# Altium PCB Gesturelink V1.PcbDoc (part 5 of 9) (continued)
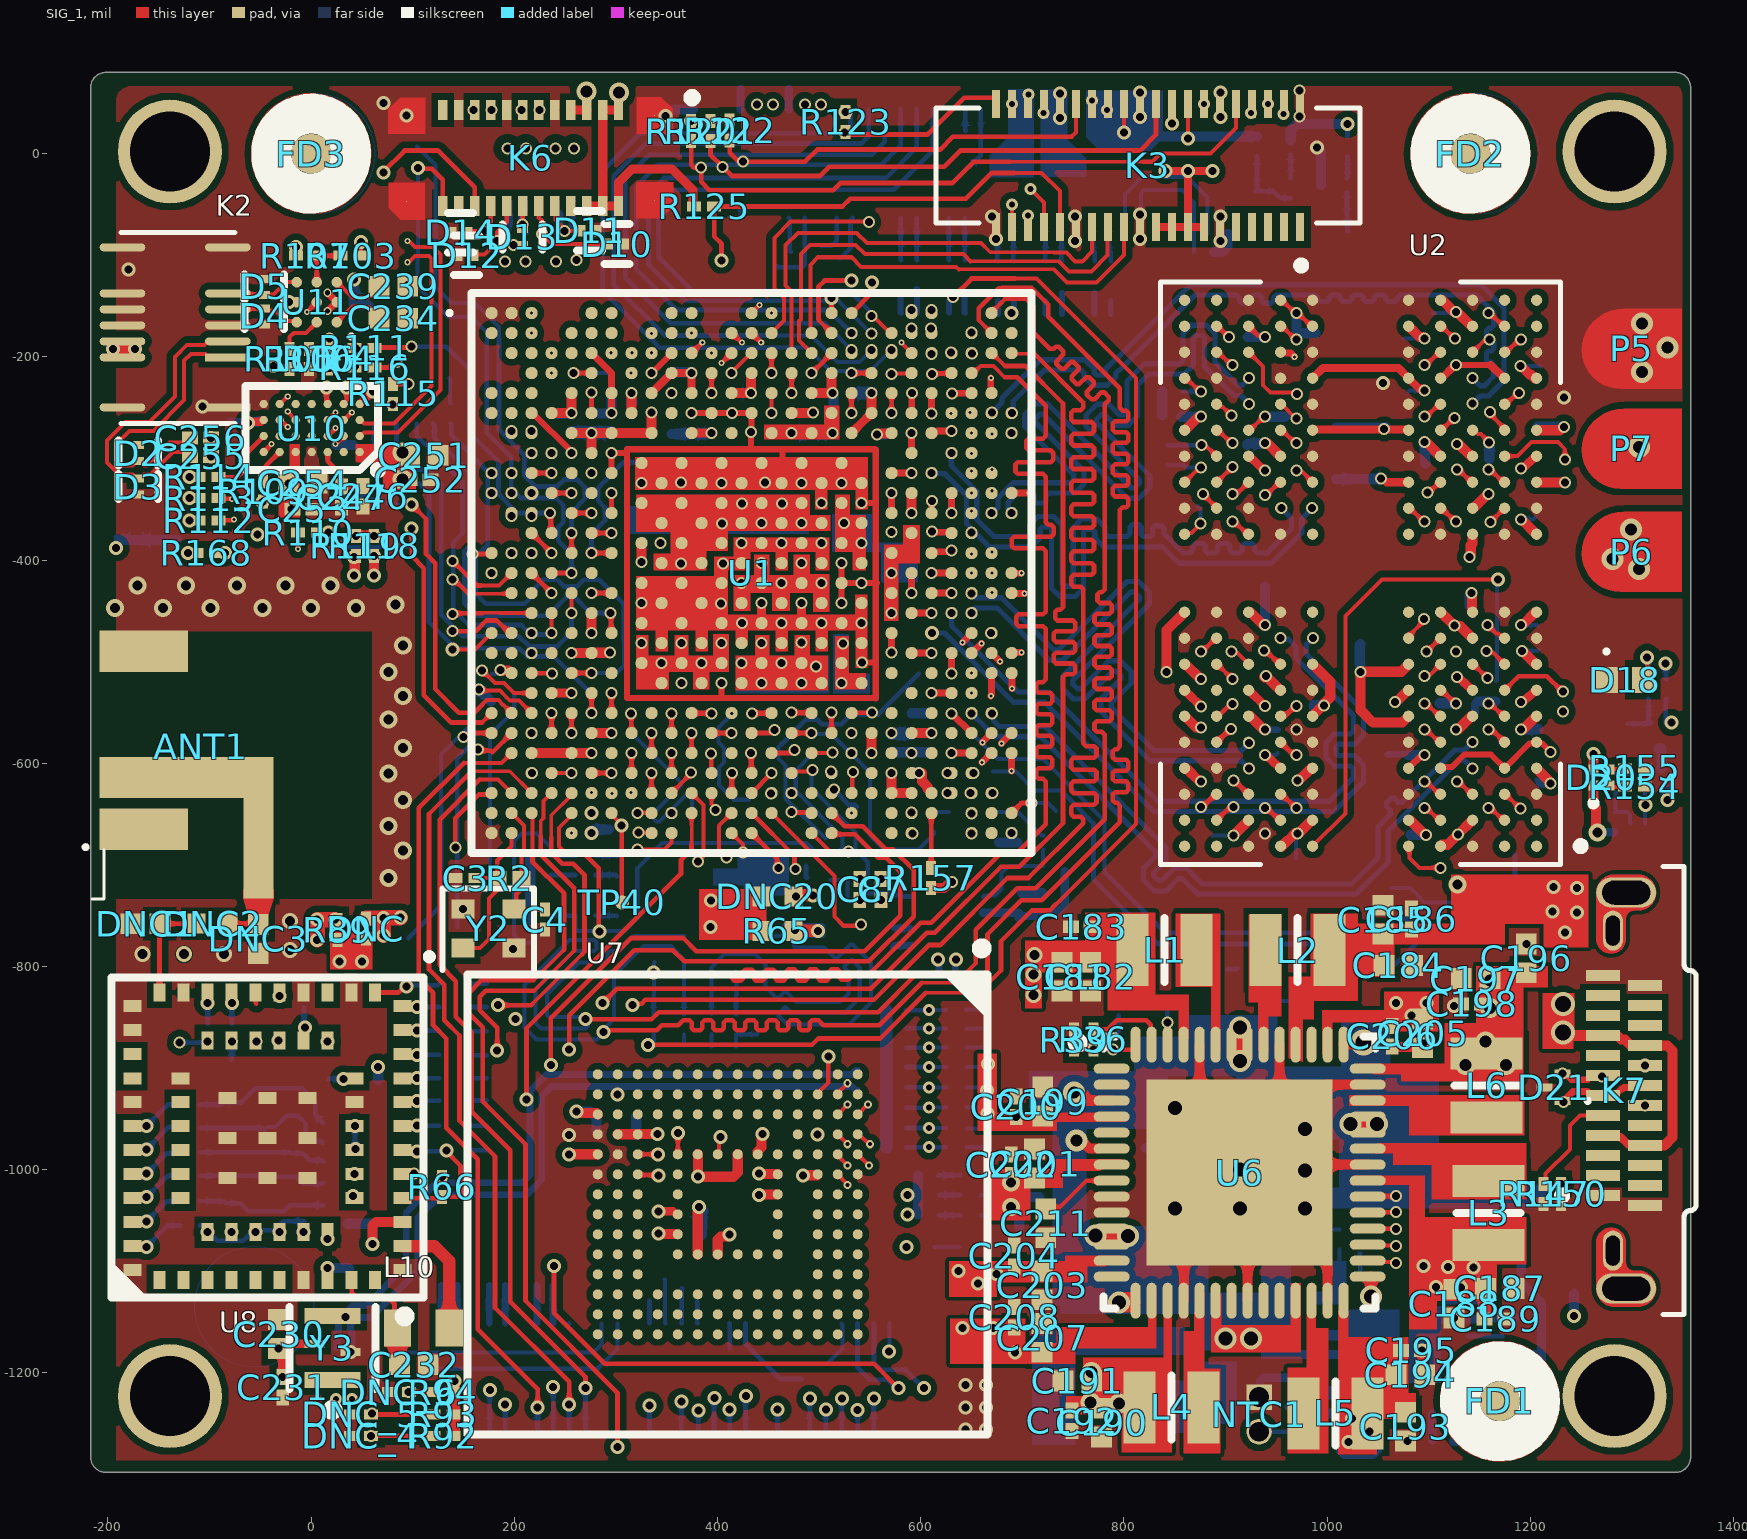
[diagram p0: SIG_1 view]
## Nets (pads, with @x,y where several pads share a name; then routed paths per layer and width w, separated by ;. In a path a pad name is that pad's centre, name@x,y a point inside that pad or via, vN(x,y) a via of type N, cw(c..) or ccw(c..) an arc to the next point about the centre after c; other vN are vias at no path point) (continued)
  SIG_3 w4.63: v12(418,-805.99) 523,-805.99 549,-779.99 549,-752.99 559,-742.99 647.5,-742.99 662,-728.49 662,-705.99 697.28,-670.71 697.28,-633.71 710,-620.99 710,-619 710,-616.69 707.29,-613.98 699.25,-613.98 697.13,-611.85 697.13,-605.47 699.25,-603.35 715.75,-603.35 717.87,-601.22 717.87,-594.85 715.75,-592.72 699.25,-592.72 697.13,-590.59 697.13,-584.22 699.25,-582.09 715.75,-582.09 717.87,-579.97 717.87,-573.59 715.75,-571.46 699.25,-571.46 697.13,-569.34 697.13,-562.96 699.25,-560.84 715.75,-560.84 717.87,-558.71 717.87,-552.33 715.75,-550.21 699.25,-550.21 697.13,-548.08 697.13,-541.71 699.25,-539.58 715.75,-539.58 717.87,-537.45 717.87,-531.08 715.75,-528.95 700.27,-528.95 698.15,-526.83 698.15,-520.45 700.27,-518.32 715.75,-518.32 717.87,-516.2 717.87,-509.82 715.75,-507.7 700.8,-507.7 698.68,-505.57 698.68,-499.19 700.8,-497.07 715.75,-497.07 717.87,-494.94 717.87,-488.57 715.75,-486.44 699.25,-486.44 697.13,-484.32 697.13,-477.94 699.25,-475.81 715.75,-475.81 717.87,-473.69 717.87,-467.31 715.75,-465.18 699.25,-465.18 697.13,-463.06 697.13,-456.68 699.25,-454.56 715.75,-454.56 717.87,-452.43 717.87,-446.05 715.75,-443.93 699.25,-443.93 697.13,-441.8 697.13,-435.43 699.25,-433.3 715.75,-433.3 717.87,-431.18 717.87,-424.8 715.75,-422.67 699.25,-422.67 697.13,-420.55 697.13,-414.17 699.25,-412.05 715.75,-412.05 717.87,-409.92 717.87,-403.54 715.75,-401.42 694.05,-401.42 691.92,-399.29 691.92,-392.92 694.05,-390.79 715.75,-390.79 717.87,-388.66 717.87,-382.29 715.75,-380.16 712.71,-380.16 710,-377.45 710,-364.99 710,-346.99 675,-311.99 666,-311.99 660,-305.99 660,-247.67 638.32,-225.99 620.17,-225.99 v1(611.07,-216.92)
  SIG_4 w4: R62.1@418,-847.15 418,-828.15 419,-827.15 418.5,-826.65 418.5,-806.49 v12(418,-805.99)
eMMC_DAT0: R45.1 R53.2 U7.A3 | length 144.5
  SIG_1 w4: U7.A3@538,-945.57 538.21,-945.57 547.79,-935.99 v32(548,-935.99)
  HI_SPEED_SIG_1 w4.63: v32(548,-935.99) 548,-922.99 591,-879.99 v27(608.08,-879.99)
  SIG_4 w4: v27(608.08,-879.99) R53.2@625.24,-879.99
  SIG_4 w4.58: R45.1@585.61,-879.99 v27(608.08,-879.99)
  other v33: 548,-935.99
eMMC_DAT0_MPU: R53.1 TP7.12 U1.C24 | length 1390.2
  SIG_2 w4.67: v18(644.76,-879.99) v8(667,-879.99)
  SIG_3 w3.7: v11(630,-195.99) 639.69,-186.3 669.5,-186.3
  SIG_3 w4.63: 668,-833.99 762,-739.99 762,-690.02 762,-687.71 759.29,-684.99 742.07,-684.99 739.95,-682.87 739.95,-676.49 742.07,-674.37 750.29,-674.37 753,-671.66 753,-658.99 753,-552.84 753,-550.53 750.29,-547.82 749.27,-547.82 747.15,-545.69 747.15,-539.31 749.27,-537.19 757.75,-537.19 759.87,-535.06 759.87,-528.69 757.75,-526.56 749.27,-526.56 747.15,-524.43 747.15,-518.06 749.27,-515.93 757.75,-515.93 759.87,-513.81 759.87,-507.43 757.75,-505.3 749.27,-505.3 747.15,-503.18 747.15,-496.8 749.27,-494.68 758.91,-494.68 761.03,-492.55 761.03,-486.17 758.91,-484.05 749.27,-484.05 747.15,-481.92 747.15,-475.55 749.27,-473.42 758.69,-473.42 760.82,-471.3 760.82,-464.92 758.69,-462.79 749.27,-462.79 747.15,-460.67 747.15,-454.29 749.27,-452.16 757.75,-452.16 759.87,-450.04 759.87,-443.66 757.75,-441.54 749.27,-441.54 747.15,-439.41 747.15,-433.03 749.27,-430.91 757.75,-430.91 759.87,-428.78 759.87,-422.41 757.75,-420.28 749.27,-420.28 747.15,-418.16 747.15,-411.78 749.27,-409.65 763.75,-409.65 765.87,-407.53 765.87,-401.15 763.75,-399.03 749.27,-399.03 747.15,-396.9 747.15,-390.52 749.27,-388.4 763.75,-388.4 765.87,-386.27 765.87,-379.89 763.75,-377.77 749.27,-377.77 747.15,-375.64 747.15,-369.27 749.27,-367.14 763.75,-367.14 765.87,-365.02 765.87,-358.64 763.75,-356.51 749.27,-356.51 747.15,-354.39 747.15,-348.01 749.27,-345.89 763.75,-345.89 765.87,-343.76 765.87,-337.38 763.75,-335.26 749.27,-335.26 747.15,-333.13 747.15,-326.76 749.27,-324.63 763.75,-324.63 765.87,-322.5 765.87,-316.13 763.75,-314 749.27,-314 747.15,-311.88 747.15,-305.5 749.27,-303.37 763.75,-303.37 765.87,-301.25 765.87,-294.87 763.75,-292.75 755.71,-292.75 753,-290.04 753,-277.99 753,-273.99 753,-257.98 758.37,-252.61 758.37,-249.61 753.86,-245.1 750.85,-245.1 738.24,-257.71 735.24,-257.71 730.73,-253.2 730.73,-250.19 746.22,-234.71 746.22,-231.7 741.71,-227.19 738.7,-227.19 723.21,-242.68 720.21,-242.68 715.7,-238.17 715.7,-235.16 729.22,-221.64 729.22,-218.64 724.71,-214.13 721.7,-214.13 708.18,-227.65 705.18,-227.65 700.67,-223.14 700.67,-220.13 713.14,-207.66 713.14,-204.66 708.63,-200.15 705.63,-200.15 693.15,-212.62 690.15,-212.62 685.64,-208.11 685.64,-205.1 698.11,-192.63 698.11,-189.63 693.6,-185.12 690.6,-185.12 687.78,-187.94 683.94,-187.94 682.31,-186.3 669.5,-186.3
  SIG_3 w4.67: v8(667,-879.99) 668,-878.99 668,-856.49 668,-833.99
  SIG_4 w4: R53.1@644.92,-879.99 TP7.12@665.08,-879.99
  other v22: 630,-195.99
eMMC_DAT1: R46.1 R54.2 U7.A4 | length 136.9
  SIG_1 w4: U7.A4@538,-965.25 539.18,-965.25 548.92,-974.99 v33(550,-974.99)
  HI_SPEED_SIG_1 w4.63: v33(550,-974.99) 604.63,-920.37 606.7,-920.37 v27(608.08,-918.99)
  SIG_4 w4: v27(608.08,-918.99) R54.2@625.24,-918.99
  SIG_4 w4.58: R46.1@585.61,-918.99 v27(608.08,-918.99)
  other v32: 550,-974.99
eMMC_DAT1_MPU: R54.1 TP8.12 U1.B23 | length 1405.5
  SIG_2 w4.67: v18(644.76,-918.99) v8(684,-918.99)
  SIG_3 w3.7: v22@611.94,-171.99 618.31,-165.63
  SIG_3 w4.63: v22(610,-171.99) v22@611.94,-171.99 ; 618.31,-165.63 631.36,-165.63 637,-159.99 686,-159.99 695.5,-169.49 697.14,-171.13 700.97,-171.13 715.26,-156.84 718.27,-156.84 722.78,-161.34 722.78,-164.35 705.06,-182.07 705.06,-185.08 709.57,-189.59 712.57,-189.59 740.28,-161.88 743.28,-161.88 747.79,-166.39 747.79,-169.4 720.09,-197.1 720.09,-200.11 724.6,-204.62 727.6,-204.62 740.92,-191.3 743.92,-191.3 748.43,-195.81 748.43,-198.82 737.88,-209.37 737.88,-212.38 742.39,-216.89 745.39,-216.89 749.04,-213.24 752.04,-213.24 756.55,-217.75 756.55,-220.76 753.16,-224.15 753.16,-227.15 757.67,-231.66 760.68,-231.66 764.07,-228.27 767.07,-228.27 771.58,-232.78 771.58,-235.79 768,-239.37 768,-254.04 774,-260.04 774,-423.99 768,-429.99 768,-458.99 773.18,-464.17 774,-464.99 774,-487.68 771.29,-490.39 769.16,-492.52 769.16,-498.89 771.29,-501.02 776.78,-501.02 778.9,-503.14 778.9,-509.52 776.78,-511.65 770.13,-511.65 768,-513.77 768,-520.15 770.13,-522.27 777.75,-522.27 779.87,-524.4 779.87,-530.78 777.75,-532.9 770.13,-532.9 768,-535.03 768,-541.41 770.13,-543.53 777.75,-543.53 779.87,-545.66 779.87,-552.03 777.75,-554.16 763.25,-554.16 761.13,-556.28 761.13,-562.66 763.25,-564.79 777.75,-564.79 779.87,-566.91 779.87,-573.29 777.75,-575.41 763.25,-575.41 761.13,-577.54 761.13,-583.92 763.25,-586.04 777.75,-586.04 779.87,-588.17 779.87,-594.54 777.75,-596.67 763.25,-596.67 761.13,-598.8 761.13,-605.17 763.25,-607.3 777.75,-607.3 779.87,-609.42 779.87,-615.8 777.75,-617.93 763.25,-617.93 761.13,-620.05 761.13,-626.43 763.25,-628.55 777.75,-628.55 779.87,-630.68 779.87,-637.06 777.75,-639.18 763.25,-639.18 761.13,-641.31 761.13,-647.68 763.25,-649.81 777.75,-649.81 779.87,-651.94 779.87,-658.31 777.75,-660.44 763.25,-660.44 761.13,-662.56 761.13,-668.94 763.25,-671.07 771.29,-671.07 774,-673.78 774,-676.09 774,-742.99 766,-750.99
  SIG_3 w4.67: v8@684,-915.99 683,-914.99 683,-833.99 766,-750.99
  SIG_4 w4: R54.1@644.92,-918.99 TP8.12@665.08,-918.99
eMMC_DAT2: R47.1 R55.2 U7.A5 | length 128.5
  SIG_1 w4: U7.A5@538,-984.96 v33(549,-995.99)
  HI_SPEED_SIG_1 w4.63: v33(549,-995.99) 571.08,-995.99 v27(608.08,-958.99)
  SIG_4 w4: v27(608.08,-958.99) R55.2@625.08,-958.99
  SIG_4 w4.58: R47.1@585.76,-958.99 607.19,-958.99 v27@607.24,-959.04
  other v32: 549,-995.99
eMMC_DAT2_MPU: R55.1 TP9.12 U1.C23 | length 1409.2
  SIG_2 w4.67: v18@644.76,-959.99 645.76,-958.99 v8(666,-958.99)
  SIG_3 w3.7: v11(610.82,-196.46) 627.36,-212.99 643,-212.99
  SIG_3 w4.63: 643,-212.99 655,-224.99 677,-224.99 ; v8(666,-958.99) 666,-988.5 663.29,-991.21 600.22,-991.21 587,-977.99 587,-950.59 587,-948.27 584.29,-945.56 562.58,-945.56 560.45,-943.43 560.45,-937.06 562.58,-934.93 588.55,-934.93 590.67,-932.81 590.67,-926.43 588.55,-924.3 562.58,-924.3 560.45,-922.18 560.45,-915.8 562.58,-913.68 588.55,-913.68 590.67,-911.55 590.67,-905.17 588.55,-903.05 562.58,-903.05 560.45,-900.92 560.45,-894.55 562.58,-892.42 588.55,-892.42 590.67,-890.3 590.67,-883.92 588.55,-881.79 565.92,-881.79 563.79,-879.67 563.79,-873.29 565.92,-871.16 584.29,-871.16 587,-868.45 587,-816.1 587,-798.99 592.63,-793.36 594.94,-791.05 594.94,-753.79 597.07,-751.67 603.45,-751.67 605.57,-753.79 605.57,-771.17 608.28,-773.88 612.12,-773.88 620,-765.99 639,-765.99 674,-730.99 674,-708.99 726,-656.99 726,-343.99 726,-341.68 723.29,-338.97 715.59,-338.97 713.47,-336.84 713.47,-330.46 715.59,-328.34 728.73,-328.34 730.85,-326.21 730.85,-319.84 728.73,-317.71 695.32,-317.71 693.19,-315.59 693.19,-309.21 695.32,-307.08 713.21,-307.08 715.34,-304.96 715.34,-298.58 713.21,-296.46 710.5,-293.74 710.5,-287.49 710.5,-258.49 695,-242.99
  SIG_3 w4.67: 677,-224.99 695,-242.99
  SIG_4 w4: R55.1@645.42,-959.49 664.58,-959.49 TP9.12@665.08,-959.99
  other v18: 644.76,-958.99
  other v22: 610.82,-197.46
eMMC_DAT3: R48.1 R56.2 U7.B2 | length 278.2
  SIG_1 w4: U7.B2@518.32,-925.88 518.32,-924.82 527.04,-916.09 v33@527.04,-915.04
  HI_SPEED_SIG_1 w4.63: v32@527.04,-915.04 527,-914.99 527,-890.99 539.65,-878.34 541.29,-876.7 541.29,-872.87 528.89,-860.47 528.89,-857.47 533.4,-852.96 536.41,-852.96 554.69,-871.24 557.7,-871.24 562.21,-866.73 562.21,-863.73 543.92,-845.44 543.92,-842.44 548.43,-837.93 551.44,-837.93 563.84,-850.32 567.67,-850.32 575.6,-842.4 576,-841.99 611.08,-841.99 v27@612.08,-842.99
  SIG_4 w4: v27(608.08,-842.99) R56.2@625.08,-842.99
  SIG_4 w4.58: R48.1@585.45,-842.99 v27(608.08,-842.99)
  other v32: 528,-915.04
  other v33: 528,-915.04
eMMC_DAT3_MPU: R56.1 TP10.12 U1.C25 | length 1353.2
  SIG_2 w4.67: v18(644.76,-842.99) 654.14,-833.62 v8(654.14,-813.79)
  SIG_3 w3.7: v11(650.69,-196.99) 663.69,-209.99 676,-209.99
  SIG_3 w4.63: v8(654.14,-813.79) 654.54,-813.79 658.67,-809.66 667.82,-800.51 671.66,-800.51 679.32,-808.17 682.32,-808.17 686.83,-803.66 686.83,-800.66 652.83,-766.66 652.83,-763.65 657.34,-759.14 660.35,-759.14 694.35,-793.14 697.35,-793.14 701.86,-788.63 701.86,-785.63 667.86,-751.63 667.86,-748.62 672.37,-744.11 675.38,-744.11 709.38,-778.11 712.38,-778.11 716.89,-773.6 716.89,-770.6 682.65,-736.36 682.65,-733.35 687.16,-728.84 690.17,-728.84 724.41,-763.08 727.41,-763.08 731.92,-758.57 731.92,-755.57 686.92,-710.57 686.92,-707.56 691.43,-703.05 694.44,-703.05 739.44,-748.05 742.44,-748.05 746.95,-743.54 746.95,-740.54 701.95,-695.54 701.95,-692.53 706.46,-688.02 709.47,-688.02 723.53,-702.08 726.53,-702.08 731.04,-697.57 731.04,-694.57 720.15,-683.67 720.15,-679.84 739,-660.99
  SIG_3 w4.67: 676,-209.99 722.75,-256.75 724.4,-258.4 731.95,-265.94 731.95,-269.81 721.17,-280.59 721.17,-283.61 725.69,-288.13 728.71,-288.13 732.4,-284.44 736.27,-284.44 739,-287.18 739,-304.04 739,-554.99 739,-557.33 741.73,-560.06 742.72,-560.06 744.85,-562.19 744.85,-568.6 742.72,-570.73 736.28,-570.73 734.15,-572.86 734.15,-579.26 736.28,-581.4 742.72,-581.4 744.85,-583.53 744.85,-589.93 742.72,-592.07 736.28,-592.07 734.15,-594.2 734.15,-600.6 736.28,-602.73 742.72,-602.73 744.85,-604.87 744.85,-611.27 742.72,-613.4 736.28,-613.4 734.15,-615.53 734.15,-621.94 736.28,-624.07 742.72,-624.07 744.85,-626.2 744.85,-632.6 742.72,-634.74 741.73,-634.74 739,-637.47 739,-657.43 739,-660.99
  SIG_4 w4: v18(644.76,-842.99) 645.26,-842.49 664.58,-842.49 TP10.12@665.08,-841.99
  other v22: 650.69,-196.99
eMMC_DAT4: R49.1 R57.2 U7.B3 | length 171.9
  SIG_1 w4: U7.B3@518.32,-945.57 518.37,-945.57 527.94,-935.99 v32(528,-935.99)
  HI_SPEED_SIG_1 w4.63: v32(528,-935.99) 539,-924.99 539,-911.99 590,-860.99 v27(608.08,-860.99)
  SIG_4 w4: v27(608.08,-860.99) R57.2@625.08,-860.99
  SIG_4 w4.58: R49.1@585.61,-860.99 v27(608.08,-860.99)
  other v33: 528,-935.99
eMMC_DAT4_MPU: R57.1 TP11.12 U1.D22 | length 1372.2
  SIG_1 w4: v1(571.27,-216.98) 571.77,-216.48 590.45,-216.48 U1.D22@590.95,-215.98
  SIG_2 w4.67: v18(644.76,-860.99) 695,-860.99 725,-830.99 v8(760,-830.99)
  SIG_3 w3.7: 516,-170.99 516,-201.98 530,-215.98 v1@570.27,-215.98
  SIG_3 w4.63: 516,-170.99 546,-140.99 546,-109.99 566.67,-89.32 636.33,-89.32 ; v1@570.27,-215.98 v1(571.27,-216.98) ; 649.66,-89.32 790.33,-89.32 812,-110.99
  SIG_3 w4.67: 636.33,-89.32 649.66,-89.32 ; v8(760,-830.99) 828,-762.99 828,-126.99 812,-110.99
  SIG_4 w4: R57.1@644.92,-860.99 TP11.12@665.08,-860.99
eMMC_DAT5: R50.1 R58.2 U7.B4 | length 177.5
  SIG_1 w4: U7.B4@518.32,-965.25 v32(528,-974.99)
  HI_SPEED_SIG_1 w4.63: v32(528,-974.99) 528,-962.99 541,-949.99 553.51,-949.99 565.5,-938 565.5,-928.49 595,-898.99 v27(608.08,-898.99)
  SIG_4 w4: v27(608.08,-898.99) R58.2@625.24,-898.99
  SIG_4 w4.58: R50.1@585.61,-898.99 v27(608.08,-898.99)
  other v33: 528,-974.99
eMMC_DAT5_MPU: R58.1 TP12.12 U1.A23 | length 1362.2
  SIG_2 w4.67: v18(644.76,-898.99) v8(697.78,-898.99)
  SIG_3 w4.63: v22(610.64,-154.01) 611.93,-152.72 611.93,-140.06 628,-123.99 744,-123.99 757,-136.99 757,-156.61 757,-158.93 759.71,-161.64 793.75,-161.64 795.87,-163.76 795.87,-170.14 793.75,-172.27 757.52,-172.27 755.4,-174.39 755.4,-180.77 757.52,-182.89 793.75,-182.89 795.87,-185.02 795.87,-191.4 793.75,-193.52 758.69,-193.52 756.56,-195.65 756.56,-202.03 758.69,-204.15 793.75,-204.15 795.87,-206.28 795.87,-212.65 793.75,-214.78 774.33,-214.78 771.62,-217.49 771.62,-221.32 784.58,-234.29 788,-237.71 788,-259.99 788,-262.31 790.71,-265.02 793.75,-265.02 795.87,-267.14 795.87,-273.52 793.75,-275.65 784.25,-275.65 782.13,-277.77 782.13,-284.15 784.25,-286.27 793.75,-286.27 795.87,-288.4 795.87,-294.78 793.75,-296.9 784.25,-296.9 782.13,-299.03 782.13,-305.4 784.25,-307.53 793.75,-307.53 795.87,-309.65 795.87,-316.03 793.75,-318.16 784.25,-318.16 782.13,-320.28 782.13,-326.66 784.25,-328.78 793.75,-328.78 795.87,-330.91 795.87,-337.29 793.75,-339.41 784.25,-339.41 782.13,-341.54 782.13,-347.92 784.25,-350.04 785.29,-350.04 788,-352.75 788,-368.94 788,-401.99 788,-425 790.71,-427.71 792.84,-429.84 792.84,-436.21 790.71,-438.34 779.72,-438.34 777.59,-440.46 777.59,-446.84 779.72,-448.97 785.29,-448.97 788,-451.68 788,-453.99 788,-744.99 699,-833.99 699,-864.81
  SIG_3 w4.67: v8@697.78,-893.99 699,-892.77 699,-864.81
  SIG_4 w4: R58.1@644.92,-898.99 TP12.12@665.08,-898.99
eMMC_DAT6: R51.1 R59.2 U7.B5 | length 159
  SIG_1 w4: U7.B5@518.32,-984.94 518.32,-986.22 527,-994.91 v33@527,-995.99
  HI_SPEED_SIG_1 w4.63: v32@527,-995.99 538,-984.99 562.08,-984.99 v27(608.08,-938.99)
  SIG_4 w4: v27(608.08,-938.99) R59.2@625.39,-938.99
  SIG_4 w4.58: R51.1@585.76,-938.99 v27(608.08,-938.99)
  other v32: 528,-995.99
  other v33: 528,-995.99
eMMC_DAT6_MPU: R59.1 TP13.12 U1.A22 | length 1384.5
  SIG_2 w4.67: v18(644.76,-938.99) v8(712.78,-938.99)
  SIG_3 w3.7: 566,-124.99 566,-145.99 574.02,-154.01 v22(591,-154.01)
  SIG_3 w4.63: 566,-124.99 579,-111.99 777,-111.99 804,-138.99 804,-534.9 804,-547.84 801.29,-550.55 798.25,-550.55 796.13,-552.67 796.13,-559.05 798.25,-561.18 805.73,-561.18 807.85,-563.3 807.85,-569.68 805.73,-571.8 798.25,-571.8 796.13,-573.93 796.13,-580.31 798.25,-582.43 805.73,-582.43 807.85,-584.56 807.85,-590.93 805.73,-593.06 798.25,-593.06 796.13,-595.19 796.13,-601.56 798.25,-603.69 805.73,-603.69 807.85,-605.81 807.85,-612.19 805.73,-614.32 798.25,-614.32 796.13,-616.44 796.13,-622.82 798.25,-624.94 805.73,-624.94 807.85,-627.07 807.85,-633.45 805.73,-635.57 798.25,-635.57 796.13,-637.7 796.13,-644.07 798.25,-646.2 805.73,-646.2 807.85,-648.33 807.85,-654.7 805.73,-656.83 798.25,-656.83 796.13,-658.95 796.13,-665.33 798.25,-667.46 805.73,-667.46 807.85,-669.58 807.85,-675.96 805.73,-678.08 798.25,-678.08 796.13,-680.21 796.13,-686.59 798.25,-688.71 805.73,-688.71 807.85,-690.84 807.85,-697.21 805.73,-699.34 798.25,-699.34 796.13,-701.46 796.13,-707.84 798.25,-709.97 805.73,-709.97 807.85,-712.09 807.85,-718.47 805.73,-720.59 798.85,-720.59 796.73,-722.72 796.73,-729.1 798.85,-731.22 801.29,-731.22 804,-733.93 804,-745.99 777.25,-772.74 712.78,-837.22 712.78,-857.77
  SIG_3 w4.67: v8@712.78,-936.99 712.78,-857.77
  SIG_4 w4: R59.1@644.92,-938.99 R59.1@645.08,-938.99 TP13.12@665.08,-938.99
eMMC_DAT7: R52.1 R60.2 U7.B6 | length 149.1
  SIG_1 w4: U7.B6@518.32,-1004.62 518.32,-1004.96 528,-1014.65 v33(528,-1014.99)
  HI_SPEED_SIG_1 w4.63: v33(528,-1014.99) 571.08,-1014.99 v27(608.08,-977.99)
  SIG_4 w4: v27(608.08,-977.99) R60.2@625.08,-977.99
  SIG_4 w4.58: R52.1@585.76,-977.99 v27(608.08,-977.99)
  other v32: 528,-1014.99
eMMC_DAT7_MPU: R60.1 TP14.12 U1.B22 | length 1389.5
  SIG_2 w4.67: v18@644.76,-976.99 726,-976.99 v8(727,-975.99)
  SIG_3 w3.7: 556,-116.99 556,-148.07 570.92,-162.99 578,-162.99 v22@591,-175.99
  SIG_3 w4.63: 556,-116.99 573,-99.99 785,-99.99 816,-130.99 816,-165.99 ; v8(727,-975.99) 727,-894.99 727,-892.68 724.29,-889.97 723.05,-889.97 720.92,-887.84 720.92,-881.46 723.05,-879.34 746.51,-879.34 748.64,-877.21 748.64,-870.84 746.51,-868.71 729.71,-868.71 727,-866 727,-853.99 727,-839.99 ; 816,-234.99 816,-196.76
  SIG_3 w4.67: 727,-839.99 816,-750.99 816,-234.99 ; 816,-196.76 816,-165.99
  SIG_4 w4: R60.1@644.92,-977.99 TP14.12@665.08,-977.99
  other v18: 644.76,-977.99
  other v22: 591,-171.99
eMMC_DS: R61.2 U7.H5 | length 277.9
  SIG_1 w4: U7.H5@400.2,-984.94 401.32,-983.82 401.32,-969.67 v2(403,-967.99)
  SIG_3 w4: v12(394,-878.99) 394,-877.35 410.36,-860.99 429,-860.99 437,-868.99 437,-884.99 437,-905.49 437,-907.49 439.34,-909.84 477.39,-909.84 479.39,-911.84 479.39,-917.84 477.39,-919.84 439.34,-919.84 437,-922.18 437,-933.99
  SIG_3 w4.63: v2(403,-967.99) 437,-933.99
  SIG_4 w4: v12(394,-878.99) R61.2@394,-866.68
eMMC_DS_MPU: R61.1 TP15.12 U1.AE10 | length 1275.1
  SIG_1 w4: U1.AE10@354.73,-629.37 373.97,-610.13 v1(373.97,-609.24)
  SIG_3 w4.63: v1(373.97,-609.24) 373.97,-632.96 388,-646.99 388,-668.99 374,-682.99 374,-686.83 389.37,-702.19 389.37,-705.2 384.86,-709.71 381.85,-709.71 366.49,-694.34 362.65,-694.34 353.5,-703.49 320,-736.99 320,-800.99 329,-809.99 349,-809.99 353,-805.99 353,-743.99 361,-735.99 380,-735.99 386,-741.99 v12(386,-769.99)
  SIG_4 w4: v12(386,-769.99) 386.28,-770.27 460,-770.27 462,-770.27 ccw(c462,-768.07) 464.2,-768.07 464.2,-761.47 cw(c466.4,-761.47) 466.4,-759.27 502.05,-759.27 cw(c502.05,-761.47) 504.25,-761.47 504.25,-768.07 cw(c502.05,-768.07) 502.05,-770.27 477.4,-770.27 ccw(c477.4,-772.47) 475.2,-772.47 475.2,-779.07 ccw(c477.4,-779.07) 477.4,-781.27 503.81,-781.27 cw(c503.81,-783.47) 505.36,-781.91 514.92,-791.47 ccw(c516.46,-789.9) 518.01,-791.47 530.47,-779 cw(c532.02,-780.57) 533.56,-779 550.37,-795.8 cw(c548.8,-797.35) 551,-797.35 551,-834.64 cw(c548.8,-834.64) 550.37,-836.18 530.19,-856.36 cw(c528.64,-854.79) 528.64,-856.99 469.35,-856.99 cw(c469.35,-854.79) 467.81,-856.36 460.53,-849.07 cw(c462.08,-847.52) 460.53,-845.96 465.19,-841.3 cw(c466.75,-842.85) 468.3,-841.3 472.37,-845.36 ccw(c473.91,-843.79) 473.91,-845.99 524.09,-845.99 ccw(c524.09,-843.79) 525.63,-845.36 539.37,-831.63 ccw(c537.8,-830.08) 540,-830.08 540,-801.9 ccw(c537.8,-801.9) 539.37,-800.36 533.58,-794.57 ccw(c532.02,-796.12) 530.46,-794.57 525.8,-799.23 ccw(c527.35,-800.79) 525.8,-802.35 528.37,-804.91 cw(c526.8,-806.46) 529,-806.46 529,-825.52 cw(c526.8,-825.52) 528.37,-827.07 521.08,-834.36 cw(c519.53,-832.79) 519.53,-834.99 478.47,-834.99 cw(c478.47,-832.79) 476.92,-834.36 468.29,-825.73 ccw(c466.75,-827.3) 465.2,-825.73 460.51,-830.42 cw(c458.97,-828.85) 457.43,-830.42 ; R61.1@394,-846.99 TP15.12@394,-828.15 394,-800.99 407,-787.99 437,-787.99 447,-797.99 447,-819.99 456,-828.99 457.41,-830.41
eMMC_RST: R64.2 U7.K5 | length 180.1
  SIG_1 w4: U7.K5@360.83,-984.94 361.02,-984.75 361.02,-964.18 v2(361.2,-963.99)
  SIG_3 w4: v2(361.2,-963.99) 361.2,-943.99
  SIG_3 w4.63: 361.2,-943.99 367,-938.19 367,-934.42 367,-932.11 364.29,-929.4 336.56,-929.4 334.23,-927.07 334.23,-920.09 336.56,-917.77 364.29,-917.77 367,-915.06 367,-906.29 367,-887.56 v12(367,-877.99)
  SIG_4 w4: v12(367,-877.99) R64.2@367,-866.99
eMMC_RST_MPU: R64.1 TP18.12 U1.AB8 | length 1343.9
  SIG_1 w4: v1(315,-550.99) 315.18,-551.17 315.18,-570.13 U1.AB8@315.36,-570.31
  SIG_3 w4: 367,-790.99 367,-770.48 v12(367.2,-770.27)
  SIG_3 w4.63: 367,-790.99 367,-813.99 359,-821.99 321,-821.99 308,-808.99 308,-733.99 373.41,-668.59 373.41,-658.37 v35(374.78,-656.99)
  SIG_4 w4: v1(315,-550.99) 315,-569.99 352.5,-607.49 363.85,-618.84 363.85,-622.16 335.72,-650.28 335.72,-653.11 339.97,-657.35 342.79,-657.35 369.34,-630.8 372.66,-630.8 375,-633.15 375,-635.98 375,-656.77 v35(374.78,-656.99) ; R64.1@367,-847.31 TP18.12@367,-828.15 367,-792.99 354,-779.99 327,-779.99 298.16,-808.83 298.16,-851.83 289,-860.99 287.5,-860.99 285.5,-860.99 283.3,-863.19 283.3,-869.79 281.1,-871.99 221.87,-871.99 210,-860.12 210,-818.44 254.4,-774.03 278.58,-774.03 280.78,-776.23 280.78,-782.83 278.58,-785.03 258.96,-785.03 221,-822.99 221,-855.56 226.43,-860.99 270.1,-860.99 272.3,-858.79 272.3,-852.19 270.1,-849.99 234.2,-849.99 232,-847.79 232,-827.55 263.51,-796.03 289.58,-796.03 291.78,-793.83 291.78,-787.23 293.98,-785.03 295.98,-785.03 302.96,-785.03 317.72,-770.27 v12(367.2,-770.27)
ETH1_MDIO: K4.53 U1.AE8 | length 983.5
  HI_SPEED_SIG_1 w4.63: v48(306,-1242.99) 304.85,-1241.85 304.85,-1204.85 260,-1159.99 260,-1015.99 237,-992.99 237,-931.99 220,-914.99 220,-834.99 249.5,-805.49 275.5,-805.49 298,-782.99 298,-689.99 290.68,-682.67 290.68,-653.31 v3(315,-628.99)
  SIG_2 w4.67: v48(306,-1242.99) 307.74,-1241.25 307.74,-1235.5 341.25,-1201.99 448,-1201.99 459,-1190.99 v7(508,-1190.99)
  SIG_4 w4: v7(508,-1190.99) 523,-1175.99 523,-1152.35 K4.53@521.95,-1151.3
  other v4: 315,-628.99
ETH_RGMII_GTX_CLK: K4.46 U1.AB14 | length 814.1
  SIG_1 w4.58: U1.AB14@433.47,-570.31 433.56,-570.22 451.09,-570.22 453.98,-567.33 v1(455.94,-567.33)
  HI_SPEED_SIG_1 w4.63: v1(455.94,-567.33) 455.27,-568 443.09,-568 440.78,-570.32 432.48,-570.32 400.97,-601.83 400.97,-626.96 411,-636.99 411,-640.3 411.22,-640.52 411.22,-652.21 438.22,-679.21 438.22,-704.77 420,-722.99 420,-787.99 410,-797.99 410,-899.99 388.8,-921.2 388.8,-984.79 397,-992.99 397,-1146.99 459,-1208.99 v2(459,-1235.99)
  SIG_4 w4.58: K4.46@458.96,-1257.99 v2(459,-1235.99)
ETH_RGMII_MDC: K4.59 U1.AF15 | length 806.2
  SIG_1 w4: U1.AF15@453.16,-649.06 515,-710.9 515,-750.99 524,-759.99 540,-759.99 v5(541,-758.99)
  HI_SPEED_SIG_1 w4.63: v5(541,-758.99) 541,-785.99 493.8,-833.2 493.8,-920.79 512.33,-939.33 512.33,-1045.33 515.29,-1048.28 527.51,-1060.51 531.35,-1060.51 535.04,-1056.82 538.04,-1056.82 542.55,-1061.33 542.55,-1064.33 521.48,-1085.4 521.48,-1088.41 525.99,-1092.92 529,-1092.92 559.59,-1062.32 562.6,-1062.32 567.11,-1066.83 567.11,-1069.84 536.51,-1100.43 536.51,-1103.44 541.02,-1107.95 544.03,-1107.95 557.57,-1094.4 561.41,-1094.4 563.05,-1096.04 569,-1101.99 v2(569,-1178.99)
  SIG_4 w4: v2(569,-1178.99) 569.1,-1178.89 569.1,-1151.4 K4.59@569.2,-1151.3
ETH_RGMII_RX_CLK: K4.30 U1.AB12 | length 824.6
  SIG_1 w4.58: U1.AB12@394.1,-570.31 v1(413.79,-570.32)
  HI_SPEED_SIG_1 w4.63: v2(333,-1231.99) 332.17,-1231.16 332.17,-1215.16 275,-1157.99 275,-900.5 332,-843.5 332,-823.99 313,-804.99 313,-714.69 351,-676.69 351,-664.02 341.51,-654.53 341.51,-638.48 359,-620.99 359,-604.43 367.03,-596.4 367.59,-596.4 393.68,-570.32 v1(413.79,-570.32)
  SIG_4 w4.58: K4.30@332.98,-1257.99 v2(333,-1231.99)
ETH_RGMII_RXC: K4.34 U1.AD12 | length 781.6
  SIG_1 w4.58: v1(393.36,-590.36) 393.73,-590.73 393.73,-609.31 U1.AD12@394.1,-609.68
  HI_SPEED_SIG_1 w3.6: 392.84,-609.06 392.84,-590.87 v1(393.36,-590.36)
  HI_SPEED_SIG_1 w4.63: v2(364.37,-1228.37) 287,-1150.99 287,-918.99 315.5,-890.49 315.5,-875.49 352,-838.99 352,-798.99 330,-776.99 330,-711.99 369,-672.99 369,-632.9 392.84,-609.06
  SIG_4 w4.58: v2(364.37,-1228.37) v2(364.37,-1228.37) 364.42,-1257.94 K4.34@364.47,-1257.99
ETH_RGMII_RXD0: K4.36 U1.AE11 | length 730.1
  SIG_1 w3.6: U1.AE11@374.42,-629.37 386.26,-641.21 386.26,-691.74 v5(381,-696.99)
  HI_SPEED_SIG_1 w4.63: v5(381,-696.99) 360.5,-696.99 344,-713.49 344,-772.99 362,-790.99 362,-877.99 300,-939.99 300,-1138.99 381.11,-1220.1 v2(381.11,-1236.88)
  SIG_4 w4.58: K4.36@380.22,-1257.99 381.11,-1257.1 v2(381.11,-1236.88)
ETH_RGMII_RXD1: K4.38 U1.AE12 | length 732.9
  SIG_1 w3.6: U1.AE12@394.1,-629.37 394.1,-640.14 398,-644.03 v5(398,-645.99)
  HI_SPEED_SIG_1 w4.63: v2(396.94,-1224.61) 395.19,-1222.86 395.19,-1212.18 312,-1128.99 312,-944.99 372,-884.99 372,-782.99 357.5,-768.49 357.5,-717.49 365,-709.99 377,-709.99 377.22,-710.21 387.78,-710.21 395,-702.99 395,-689.99 388,-682.99 388,-655.99 v5(398,-645.99)
  SIG_4 w4.58: K4.38@395.97,-1257.99 396.45,-1257.51 396.45,-1225.1 v2(396.94,-1224.61)
ETH_RGMII_RXD2: K4.40 U1.AF13 | length 705.1
  SIG_1 w3.6: v5(409,-692.99) 409,-692.08 401.46,-684.54 401.46,-661.38 U1.AF13@413.79,-649.06
  HI_SPEED_SIG_1 w4.63: v5(409,-692.99) 407.63,-694.37 407.63,-705.37 393,-719.99 382.18,-719.99 373.5,-728.68 373.5,-768.49 384,-778.99 384,-891.99 325,-950.99 325,-1119.99 412,-1206.99 v2(412,-1235.99) v2@412,-1237.99
  SIG_4 w4.58: K4.40@411.72,-1257.99 411.86,-1257.85 411.86,-1236.13 v2(412,-1235.99)